# KiCad board VLT.kicad_pcb (continued)
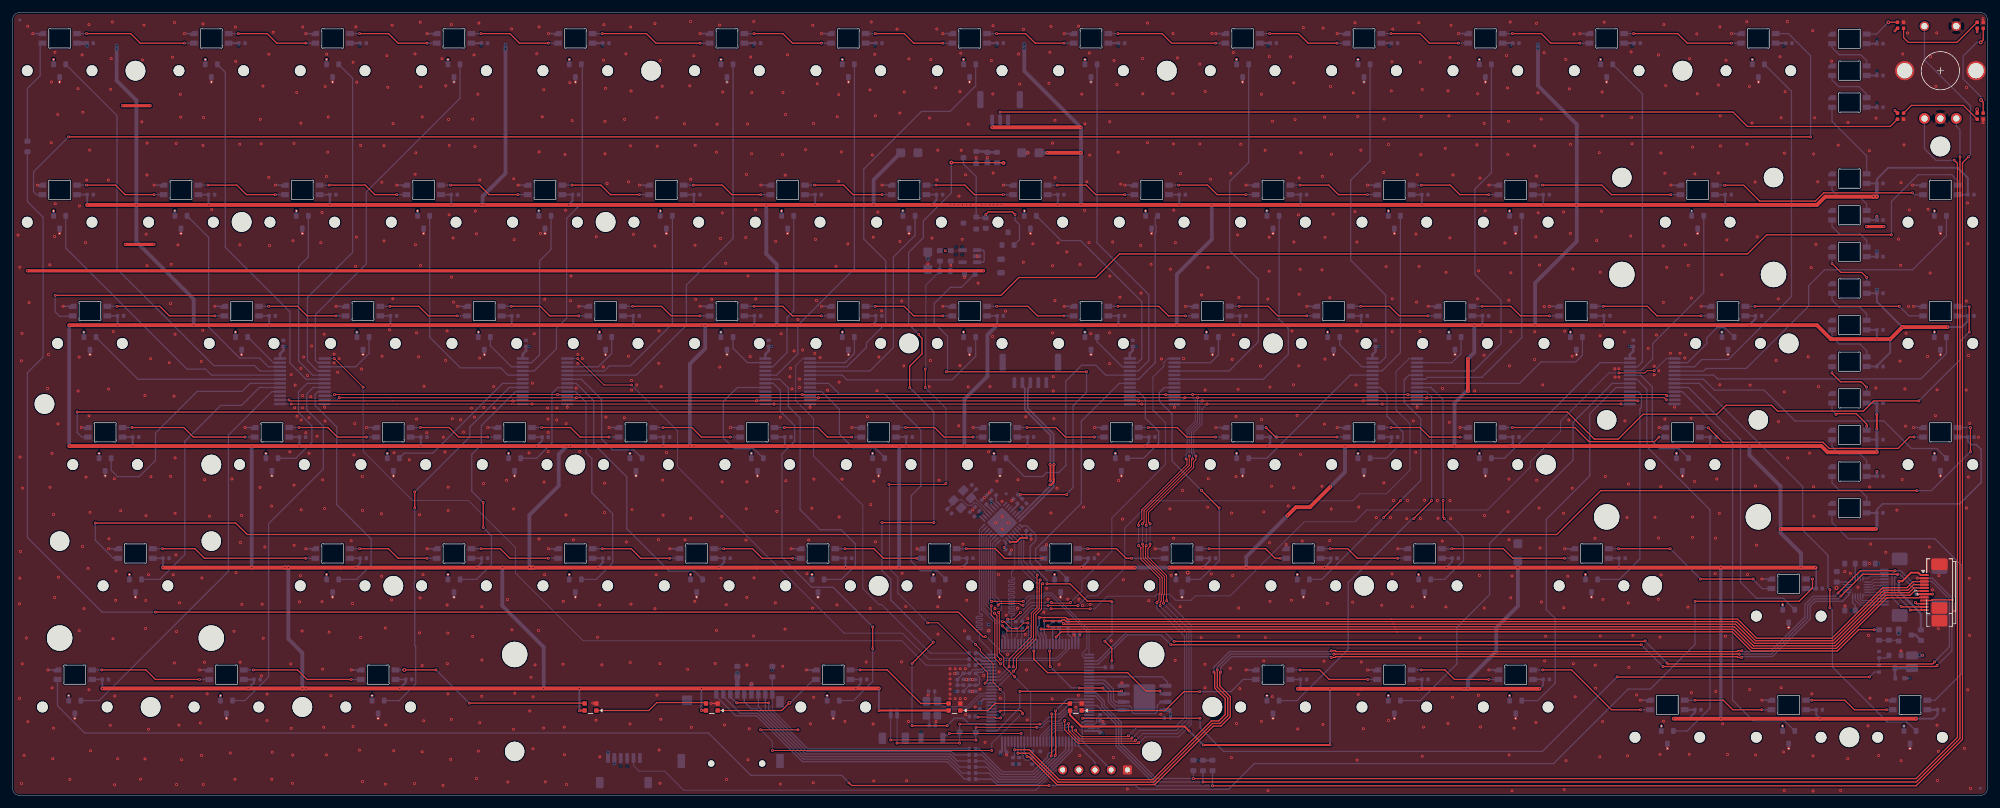
[diagram p0: board, top side]
## Routing (per net, layer and track width the routed paths; a pad name or vN(x,y) marks a point on that pad's centre or on a via; arc(x,y) is an arc through that point) (continued)
  vias: v1(0.84,88.04) v1(1.11,34.13) v1(1.06,30.09) v1(1.06,15.24) v1(1.11,82.99) v1(1.16,53.17) v1(1.21,38.34) v1(1.36,68.29) v1(1.36,1.84) v1(1.46,72.58) v1(1.5,20.66) v1(1.53,48.28) v1(1.78,6.27) v1(2.14,24.72) v1(2.35,120.87) v1(2.38,11.56) v1(2.57,77.45) v1(5.46,63.94) v1(5.6,69.27) v1(5.81,83.39) v1(5.84,48.4) v1(6.08,112.12) v1(6.04,102.57) v1(6.16,53.73) v1(6.18,16.87) v1(6.27,5.75) v1(6.41,44.14) v1(6.39,10.55) v1(6.58,87.82) v1(6.58,31.09) v1(6.62,116.79) v1(6.68,92.99) v1(7.06,107) v1(7.11,58.38) v1(7.16,34.28) v1(8.96,2.49) v1(10.25,111.07) v1(10.27,63.54) v1(10.47,92.64) v1(10.44,68.88) v1(10.44,25.88) v1(10.89,116.37) v1(11,107.35) v1(10.96,39.08) v1(11.18,29.34) v1(11.42,86.86) v1(11.5,50.01) v1(11.61,96.69) v1(11.83,35.66) v1(11.96,121.14) v1(11.97,59.64) v1(11.97,16.59) v1(12.07,101.4) v1(12.14,44.47) v1(12.21,6.98) v1(15.01,96.71) v1(15.05,63.85) v1(15.1,40.32) v1(15.37,110.96) v1(15.32,10.99) v1(15.46,115.79) v1(15.65,121.55) v1(15.79,72.89) v1(15.74,24.61) v1(15.95,49.75) v1(15.99,1.65) v1(16.02,15.61) v1(16.17,30.64) v1(16.22,35.23) v1(16.47,5.73) v1(16.96,44.73) v1(20.05,2.53) v1(20.26,105.85) v1(20.36,115.57) v1(20.59,121.05) v1(20.75,62.85) v1(20.76,5.71) v1(20.89,30.61) v1(20.86,26.22) v1(20.95,88.18) v1(20.92,43.96) v1(21.09,102.51) v1(21.06,97.49) v1(21.09,83.25) v1(21.3,10.36) v1(21.33,34.69) v1(21.64,68.63) v1(21.69,50.08) v1(24.58,67.99) v1(24.78,77.28) v1(24.77,50.14) v1(24.88,83.45) v1(24.97,15.53) v1(25.07,116.01) v1(25.2,34.66) v1(25.4,121.49) v1(25.32,62.74) v1(25.38,20.8) v1(25.49,72.47) v1(25.49,53.02) v1(25.49,44.32) v1(25.66,102.45) v1(25.61,37.79) v1(25.71,25.72) v1(25.71,1.69) v1(25.93,86.5) v1(26.09,11.02) v1(26.18,30.25) v1(26.31,110.17) v1(26.37,106.59) v1(26.5,5.59) v1(29.46,11.37) v1(29.59,68.19) v1(29.7,34.16) v1(29.63,6.27) v1(29.87,121.26) v1(29.87,102.14) v1(29.82,73.08) v1(29.91,1.69) v1(29.97,106.52) v1(30.09,20.9) v1(30.13,49.59) v1(30.52,15.95) v1(30.89,43.87) v1(31.24,92.06) v1(34.16,6.64) v1(34.41,49.71) v1(34.73,25.77) v1(34.88,2.51) v1(34.95,120.75) v1(35.01,115.35) v1(35.04,35) v1(35.64,102.32) v1(35.66,86.52) v1(35.71,20.91) v1(35.77,39.75) v1(35.93,43.99) v1(35.96,30.01) v1(38.88,106.24) v1(38.82,48.38) v1(39.01,102.39) v1(39.05,18.78) v1(39.16,30.04) v1(39.29,111.47) v1(39.33,24.67) v1(39.58,39.02) v1(39.94,15.92) v1(39.91,11.74) v1(40.2,116.49) v1(40.19,97.11) v1(40.33,86.42) v1(40.63,45.46) v1(40.67,2.53) v1(40.76,6.77) v1(40.89,119.94) v1(43.51,53.99) v1(43.65,20.64) v1(43.71,66.12) v1(43.72,10.52) v1(44.01,87.16) v1(43.96,6.33) v1(43.92,1.89) v1(44.15,102.46) v1(44.16,48.75) v1(44.18,39.28) v1(44.25,60.91) v1(44.34,64.47) v1(44.59,110.45) v1(44.64,59.58) v1(45.03,30.4) v1(45.16,34.52) v1(45.24,105.63) v1(45.23,67.08) v1(45.26,58.99) v1(45.3,44.87) v1(45.5,62.83) v1(45.49,60.9) v1(45.43,25.82) v1(45.53,120.76) v1(45.66,68.88) v1(46.01,56.99) v1(46.26,65.99) v1(46.51,53.74) v1(46.53,59.36) v1(46.79,62.66) v1(46.92,70.63) v1(47.77,56.44) v1(48.36,86.86) v1(48.57,91.6) v1(48.55,30.44) v1(48.66,49.58) v1(48.65,19.83) v1(48.89,72.46) v1(48.82,10.69) v1(48.95,45.07) v1(49.05,111.41) v1(49.03,58.84) v1(49.29,116.48) v1(49.24,97.27) v1(49.24,6.36) v1(49.43,101.08) v1(49.53,106.61) v1(49.66,25.64) v1(49.94,15.66) v1(50.46,69.34) v1(50.46,67.99) v1(51.01,66.49) v1(51.24,68.63) v1(53.14,40.01) v1(53.36,30.14) v1(53.44,115.2) v1(53.43,10.81) v1(53.55,53.5) v1(53.69,58.43) v1(53.86,120.78) v1(53.83,83.13) v1(54,112.08) v1(53.96,87.74) v1(54.43,7.1) v1(54.63,102.14) v1(54.62,24.79) v1(54.76,66.99) v1(54.89,50.11) v1(54.91,2.15) v1(54.92,44.77) v1(57.88,44.25) v1(57.93,96.37) v1(57.99,69.01) v1(57.91,34.44) v1(58.29,102.09) v1(58.29,87.14) v1(58.5,26.3) v1(58.51,1.75) v1(58.55,11.07) v1(58.74,116.26) v1(58.88,111.27) v1(59.16,73.15) v1(59.47,30.7) v1(59.58,121.04) v1(59.71,105.57) v1(59.67,78.04) v1(59.81,6.99) v1(59.86,53.84) v1(62.26,52.74) v1(63.06,1.84) v1(63.16,116.52) v1(63.17,97.6) v1(63.27,100.98) v1(63.23,86.54) v1(63.39,72.68) v1(63.4,59.12) v1(63.72,68.93) v1(63.87,44.09) v1(63.86,25.52) v1(63.98,121.5) v1(63.96,31.01) v1(64.06,111.36) v1(64.04,83.28) v1(64.29,106.64) v1(64.28,20.39) v1(64.27,6.83) v1(64.41,34.69) v1(64.56,64.29) v1(64.51,11.7) v1(65.01,56.99) v1(67.38,115.79) v1(67.6,56.27) v1(67.56,1.55) v1(67.86,53.96) v1(67.98,111.52) v1(67.98,68.35) v1(68.19,72.99) v1(68.19,29.91) v1(68.3,25.49) v1(68.24,20.69) v1(68.35,48.43) v1(68.37,44.76) v1(68.32,15.95) v1(68.42,106.21) v1(68.51,91.25) v1(68.53,102.14) v1(68.76,5.64) v1(68.86,121.14) v1(68.89,81.44) v1(68.86,11.93) v1(69.01,59.2) v1(69.14,87.61) v1(69.21,77.51) v1(70.32,59.02) v1(70.76,57.09) v1(72.02,60.84) v1(72.21,106.27) v1(72.21,24.97) v1(72.41,116.38) v1(72.49,59.44) v1(72.56,101.96) v1(72.63,91.82) v1(72.79,88.25) v1(72.8,2.62) v1(73.02,110.18) v1(73.1,6.94) v1(73.19,121.38) v1(73.31,96.71) v1(73.31,68.72) v1(73.31,11.41) v1(73.64,29.64) v1(73.65,21.26) v1(73.62,15.57) v1(73.9,48.99) v1(73.96,60.97) v1(75.51,64.24) v1(75.59,60.91) v1(77.53,49.51) v1(77.66,30.77) v1(77.73,2.09) v1(78.31,120.46) v1(78.37,26.01) v1(78.66,96.89) v1(78.64,45.01) v1(78.61,10.36) v1(78.73,87.34) v1(78.83,16.05) v1(81.06,53.83) v1(81.16,13.24) v1(81.36,18.54) v1(81.58,64.77) v1(81.69,15.46) v1(81.69,7.32) v1(81.87,72.55) v1(82,20.49) v1(82.27,116.56) v1(82.54,25.9) v1(82.65,120.77) v1(82.63,101.11) v1(82.62,40.29) v1(82.85,88.31) v1(83.12,106.64) v1(83.37,110.9) v1(83.33,10.56) v1(83.42,49.22) v1(83.51,34.67) v1(83.52,77.96) v1(83.62,2.11) v1(83.96,60.88) v1(84.05,59.12) v1(84.06,57.02) v1(84.07,54.02) v1(85.39,58.97) v1(85.41,60.91) v1(86.4,20.59) v1(86.43,30.49) v1(86.58,10.72) v1(86.61,6.38) v1(86.7,100.72) v1(86.8,91.94) v1(86.89,58.41) v1(86.86,44.05) v1(86.93,1.7) v1(87.45,112.02) v1(87.57,77.73) v1(87.66,81.62) v1(87.83,106.04) v1(88.03,40.15) v1(88.46,63.98) v1(88.71,69.29) v1(88.71,67.89) v1(89.01,54.04) v1(89.41,68.64) v1(91.57,11.81) v1(91.62,87.8) v1(91.81,24.84) v1(92.13,29.91) v1(92.18,6.05) v1(92.48,20.49) v1(92.81,121.12) v1(92.75,115.55) v1(92.71,67.33) v1(92.97,105.91) v1(92.98,100.82) v1(92.91,49.05) v1(92.91,44.44) v1(93.06,111.12) v1(93.13,59.45) v1(93.31,96.16) v1(96.05,106.25) v1(96.02,59.32) v1(96.26,116.52) v1(96.35,39.81) v1(96.69,96.43) v1(96.66,69.01) v1(96.9,11.23) v1(97,120.75) v1(96.98,102.08) v1(96.95,20.87) v1(97.07,110.7) v1(97.07,30.06) v1(97.16,65.19) v1(97.16,63.69) v1(97.24,44.9) v1(97.45,88.17) v1(97.96,64.49) v1(100.82,121.29) v1(100.82,86.33) v1(100.82,29.32) v1(101.02,34.66) v1(101.14,106.52) v1(101.18,102.03) v1(101.14,15.73) v1(101.36,40.19) v1(101.46,72.99) v1(101.43,67.89) v1(101.49,7.12) v1(101.6,20.71) v1(101.65,115.49) v1(101.61,1.88) v1(101.74,11.95) v1(101.82,64.24) v1(101.96,111.43) v1(102.01,49.53) v1(102.1,44.02) v1(102.64,53.86) v1(105.44,105.54) v1(105.56,40.15) v1(105.95,19.8) v1(106.3,111.52) v1(106.41,121.62) v1(106.44,96.83) v1(106.44,43.55) v1(106.54,10.68) v1(106.92,116.24) v1(107.08,30.49) v1(107.15,102.16) v1(107.12,86.46) v1(107.21,77.96) v1(109.74,77.96) v1(110.28,20.72) v1(110.49,101.1) v1(110.47,25.92) v1(110.59,105.47) v1(110.97,121.05) v1(111,67.3) v1(111.12,87.54) v1(111.2,34.12) v1(111.41,91.53) v1(111.39,49.26) v1(111.33,43.83) v1(111.47,110.53) v1(111.74,11.07) v1(111.94,83.61) v1(112.01,29.96) v1(112.06,2.49) v1(115.07,87.66) v1(115.18,97.58) v1(115.17,45.04) v1(115.13,40.11) v1(115.24,49.26) v1(115.24,31.1) v1(115.25,20.48) v1(115.37,105.52) v1(115.43,81.64) v1(115.43,5.59) v1(115.64,10.45) v1(115.78,68.95) v1(115.86,116.04) v1(115.98,100.84) v1(116.03,110.44) v1(116.31,25.03) v1(116.34,121.62) v1(116.38,34.16) v1(116.63,92.03) v1(116.65,78.01) v1(119.77,87.06) v1(119.73,30.25) v1(119.97,44.61) v1(120.5,59.43) v1(120.51,1.76) v1(120.65,72.55) v1(120.83,100.7) v1(120.89,20.27) v1(120.92,110.47) v1(121.28,97.46) v1(121.25,26.11) v1(121.33,107.02) v1(121.38,49.44) v1(121.65,116.38) v1(122.11,67.11) v1(122.01,65.79) v1(122.34,63.89) v1(122.66,69.84) v1(123.28,74.79) v1(123.51,65.41) v1(123.51,64.11) v1(124.01,69.99) v1(124.48,101.47) v1(124.71,34.83) v1(124.97,40.12) v1(125.23,11.23) v1(125.46,45.11) v1(125.59,121.02) v1(125.56,29.41) v1(125.69,1.98) v1(125.74,105.6) v1(125.79,49.7) v1(125.74,15.4) v1(125.91,69.44) v1(126.03,87.38) v1(126.18,77.78) v1(126.32,111.85) v1(126.76,68.79) v1(127.94,63.66) v1(129.25,83.14) v1(129.41,29.92) v1(129.46,106.66) v1(129.69,110.13) v1(129.67,96.5) v1(129.74,64.94) v1(129.73,43.74) v1(130.11,101.12) v1(130.19,49.68) v1(130.65,11.6) v1(131.11,86.68) v1(134,20.94) v1(134.18,59.5) v1(134.59,110.87) v1(134.71,45.69) v1(134.63,29.36) v1(134.8,121.55) v1(134.97,100.64) v1(135.07,11.2) v1(135.11,87.71) v1(135.18,49.38) v1(135.16,2.26) v1(135.33,116.47) v1(135.43,106.81) v1(135.45,39.84) v1(135.68,63.57) v1(135.84,91.66) v1(135.97,68.88) v1(136.41,76.14) v1(138.84,120.41) v1(139.28,107.23) v1(139.28,87.04) v1(139.56,77.69) v1(139.54,20.97) v1(139.64,34.89) v1(139.91,67.5) v1(139.97,110.52) v1(140.2,29.68) v1(140.34,2.29) v1(140.7,115.75) v1(140.63,11.61) v1(143.66,83.56) v1(143.71,15.74) v1(143.9,64.23) v1(143.94,106.45) v1(144.06,68.34) v1(144.13,115.63) v1(144.34,87.57) v1(144.91,111.22) v1(144.96,11.59) v1(145.07,120.44) v1(145.08,96.72) v1(145.23,101.4) v1(145.22,29.64) v1(145.27,25.32) v1(145.41,49.51) v1(147.16,19.89) v1(147.16,19.09) v1(147.16,18.29) v1(147.16,17.49) v1(147.16,16.69) v1(147.16,15.89) v1(147.16,15.19) v1(147.96,19.89) v1(147.96,15.19) v1(148.56,94.19) v1(148.51,58.08) v1(148.72,110.6) v1(148.72,67.56) v1(148.76,19.89) v1(148.76,15.19) v1(148.83,116.64) v1(148.9,101.38) v1(149.06,87.39) v1(149.18,39.46) v1(149.42,25.83) v1(149.59,97.52) v1(149.56,19.89) v1(149.56,15.19) v1(149.61,12.69) v1(149.78,30.64) v1(149.76,18.19) v1(150.05,105.47) v1(150.02,64.2) v1(150.71,44.89) v1(150.66,18.19) v1(150.66,16.34) v1(151.11,13.89) v1(151.4,84.74) v1(151.56,80.49) v1(151.86,16.69) v1(152.43,18.84) v1(152.56,46.79) v1(152.66,8.31) v1(153.21,54) v1(153.21,25.88) v1(153.31,47.54) v1(153.43,64.24) v1(153.64,115.48) v1(153.9,120.98) v1(153.87,110.23) v1(153.84,72.1) v1(153.93,97.81) v1(154.21,29.36) v1(154.33,42.84) v1(154.51,49.38) v1(154.76,34.7) v1(154.86,19.39) v1(155.06,15.26) v1(155.31,46.19) v1(155.33,43.84) v1(155.33,41.84) v1(155.86,76.09) v1(155.97,28.29) v1(156.19,22.14) v1(156.33,42.84) v1(157.76,29.39) v1(157.84,49.6) v1(157.92,116.5) v1(158.09,111.78) v1(158.68,120.39) v1(158.66,83.79) v1(158.96,25.29) v1(159.05,59.48) v1(159.15,19.7) v1(159.29,11.84) v1(159.36,27.79) v1(160.16,86.69) v1(161.87,28.78) v1(162.36,32.54) v1(162.54,30.81) v1(162.68,111.9) v1(162.83,116.77) v1(163,120.84) v1(163,44.37) v1(163.2,15.17) v1(163.26,102.5) v1(163.25,83.24) v1(163.25,72.68) v1(163.36,65.79) v1(163.37,63.55) v1(163.45,59.2) v1(163.65,106.1) v1(163.65,97.08) v1(163.63,77.76) v1(163.94,48.26) v1(164.11,86.82) v1(164.29,20.54) v1(165.49,85.43) v1(165.65,30.81) v1(166.59,25.16) v1(166.91,13.84) v1(167.29,15.71) v1(167.34,120.89) v1(167.39,30.81) v1(167.57,83.42) v1(167.52,6.24) v1(167.84,110.21) v1(167.94,29.81) v1(168.12,45.29) v1(168.29,91.93) v1(168.33,105.52) v1(168.63,96.43) v1(168.96,86.87) v1(169.03,116.67) v1(169.08,100.62) v1(169.16,29.99) v1(169.26,72.56) v1(170.41,37.89) v1(172.2,72.7) v1(172.22,105.87) v1(172.23,81.6) v1(172.22,67.85) v1(172.46,24.29) v1(172.68,86.96) v1(172.81,5.94) v1(172.9,115.49) v1(173.34,111.71) v1(173.56,101.08) v1(173.62,49.47) v1(173.83,78.3) v1(173.95,96.06) v1(174.24,43.41) v1(174.36,33.89) v1(175,0.99) v1(177.09,86.42) v1(177.14,78.94) v1(177.38,115.81) v1(177.42,110.25) v1(178.16,121.37) v1(178.14,102.57) v1(178.36,30.59) v1(178.72,83.47) v1(180.23,12.73) v1(180.36,68.59) v1(181.67,45.01) v1(181.76,82.68) v1(181.89,34.58) v1(182.17,119.72) v1(182.14,110.28) v1(182.23,102.37) v1(182.28,91.97) v1(182.26,40.4) v1(182.5,21.2) v1(182.53,86.86) v1(182.86,115.9) v1(183.29,29.65) v1(183.33,97.72) v1(183.66,47.89) v1(183.81,68.64) v1(186.36,114.94) v1(186.37,102.38) v1(186.58,24.77) v1(186.63,78.63) v1(187.17,20.57) v1(187.18,16.92) v1(187.22,110.62) v1(187.22,63.69) v1(187.58,45.27) v1(187.66,82.97) v1(187.71,49.75) v1(188.06,96.83) v1(188.18,34.8) v1(188.27,119.75) v1(191.14,19.96) v1(191.24,97.76) v1(191.35,44.35) v1(191.33,5.92) v1(191.46,68.51) v1(191.53,34.54) v1(191.64,116.74) v1(191.65,72.38) v1(192.05,59.54) v1(192.05,50.09) v1(192.13,11.27) v1(192.3,88.08) v1(192.38,63.8) v1(192.51,78.23) v1(192.46,29.43) v1(192.46,24.99) v1(192.64,16.76) v1(192.81,102.31) v1(195.9,67.46) v1(196.04,110.18) v1(196.08,59.06) v1(196.03,11.61) v1(196.39,44.55) v1(196.4,21.12) v1(196.62,101.38) v1(196.67,24.78) v1(197.04,77.99) v1(197.08,0.73) v1(197.28,116.1) v1(197.27,87.72) v1(197.27,82.38) v1(197.37,64.16) v1(197.32,39.69) v1(197.4,30.48) v1(197.62,48.58) v1(197.79,105.95) v1(197.74,15.5) v1(200.26,45.46) v1(200.63,116.06) v1(200.75,30.66) v1(200.83,72.97) v1(201.08,64.52) v1(201.11,48.34) v1(201.13,111.99) v1(201.14,86.96) v1(201.33,106.2) v1(201.64,59.7) v1(201.75,10.42) v1(201.85,91.23) v1(201.96,97.03) v1(201.97,78.75) v1(201.92,67.5) v1(202.13,82.66) v1(202.17,53.58) v1(202.23,100.98) v1(202.45,39.96) v1(202.62,120.67) v1(205.56,82.58) v1(205.54,48.56) v1(205.62,97.28) v1(205.71,11.13) v1(205.73,120.58) v1(205.87,21.07) v1(205.97,106.57) v1(205.94,58.35) v1(206.02,87.69) v1(206.01,68.54) v1(206.4,30.18) v1(206.79,78.21) v1(206.76,40.04) v1(206.9,111.41) v1(207.01,100.74) v1(207,44.99) v1(207.32,91.35) v1(210.36,30.36) v1(210.46,110.4) v1(210.74,121.42) v1(210.73,91.74) v1(210.89,64.49) v1(211.03,86.95) v1(211.07,72.95) v1(211.07,5.53) v1(211.16,106.7) v1(211.25,15.85) v1(211.32,45.3) v1(211.65,101.4) v1(211.73,20.94) v1(212.05,10.46) v1(214.06,43.64) v1(214.93,29.86) v1(215.3,106.29) v1(215.24,97.89) v1(215.25,49.1) v1(215.62,83.1) v1(215.99,102.29) v1(216,11.76) v1(216.31,43.64) v1(216.44,110.72) v1(216.54,115.3) v1(216.59,78.05) v1(216.59,72.86) v1(216.56,34.8) v1(216.67,120.43) v1(216.76,46.34) v1(218.86,43.49) v1(218.96,46.34) v1(219.74,29.66) v1(219.89,58.85) v1(220.3,88.21) v1(220.26,53.91) v1(220.4,77.51) v1(220.53,97.54) v1(220.76,121.43) v1(220.81,83.13) v1(220.99,115.21) v1(220.94,72.89) v1(220.94,24.72) v1(221.06,100.7) v1(221.01,43.49) v1(221.13,106.71) v1(221.3,110.94) v1(221.3,6.12) v1(221.5,10.72) v1(221.66,46.39) v1(223.66,46.34) v1(223.76,43.54) v1(224.47,63.94) v1(224.44,39.95) v1(224.91,101.69) v1(225.03,82.19) v1(225.01,29.61) v1(225.33,110.71) v1(225.33,11.29) v1(225.48,106.79) v1(225.56,58.62) v1(225.64,115.96) v1(225.63,87.6) v1(225.66,46.34) v1(225.76,43.49) v1(225.83,121.01) v1(226.02,15.4) v1(226.12,97.5) v1(229.53,63.56) v1(229.88,102.24) v1(229.99,110.27) v1(229.98,78.05) v1(230.14,82.44) v1(230.11,15.71) v1(230.26,34.55) v1(230.36,97.01) v1(230.44,10.74) v1(230.99,69.16) v1(231.01,105.61) v1(231.08,43.96) v1(231.03,29.43) v1(231.19,91.86) v1(234.26,86.81) v1(234.53,116.26) v1(234.67,111.17) v1(234.71,100.72) v1(234.79,44.55) v1(234.84,105.94) v1(234.88,77.82) v1(234.9,49.68) v1(234.9,40.18) v1(234.99,67.5) v1(234.94,6.35) v1(235.11,121.54) v1(235.2,82.12) v1(235.19,72.87) v1(235.18,31.04) v1(235.39,34.49) v1(235.4,0.7) v1(235.7,10.53) v1(238.93,102.06) v1(238.96,72.86) v1(238.92,68.49) v1(239.12,87.79) v1(239.15,11.45) v1(239.22,121.33) v1(239.24,97.33) v1(239.26,49.52) v1(239.45,110.41) v1(239.5,91.54) v1(239.71,83.35) v1(239.65,45.14) v1(239.79,38.84) v1(239.97,106.28) v1(240.02,30.39) v1(240.21,64.51) v1(240.43,116.72) v1(240.45,76.81) v1(240.51,21.12) v1(240.66,24.99) v1(243.49,91.69) v1(243.48,44.32) v1(243.52,29.49) v1(243.58,0.9) v1(243.66,72.94) v1(243.82,115.66) v1(243.87,5.44) v1(244.15,34.44) v1(244.41,111.03) v1(244.32,58.98) v1(244.58,102.32) v1(244.54,88.31) v1(244.84,69.01) v1(244.84,48.27) v1(244.93,82.71) v1(245.02,20.68) v1(245.13,119.65) v1(245.3,15.47) v1(248.41,40.38) v1(248.46,20.45) v1(248.51,16.81) v1(248.69,87.18) v1(249.09,101) v1(249.15,6.05) v1(249.24,82.22) v1(249.21,72.24) v1(249.25,25.05) v1(249.45,91.79) v1(249.54,110.53) v1(249.55,106.78) v1(249.61,11.57) v1(249.65,30.79) v1(249.86,121.51) v1(250.04,50.11) v1(251.51,67.04) v1(251.56,65.74) v1(252.16,67.04) v1(252.16,65.74) v1(253.04,72.82) v1(253.11,58.84) v1(253.44,43.67) v1(253.52,6.2) v1(253.66,48.92) v1(253.64,30.22) v1(253.72,20.09) v1(254.08,116.84) v1(254.02,87.91) v1(254.18,106.53) v1(254.21,102.41) v1(254.37,25.14) v1(254.95,15.77) v1(256.76,70.24) v1(257.71,67.44) v1(257.71,66.09) v1(257.83,43.68) v1(258.07,72.35) v1(258.39,116.37) v1(258.39,40.43) v1(258.36,30.8) v1(258.42,66.73) v1(258.61,6.43) v1(258.63,24.86) v1(258.76,100.95) v1(258.75,48.51) v1(258.79,34.64) v1(259.13,86.33) v1(259.15,77.47) v1(259.15,11.64) v1(259.23,121.13) v1(259.39,97.77) v1(259.4,59.14) v1(259.51,111.54) v1(259.67,82.98) v1(260.26,69.49) v1(261.76,69.49) v1(262.51,68.74) v1(262.59,86.52) v1(262.64,72.4) v1(263.08,83.29) v1(263.01,29.59) v1(263.26,115.77) v1(263.22,6.44) v1(263.5,59.26) v1(263.54,78.16) v1(263.55,16.13) v1(263.74,101.88) v1(263.73,43.74) v1(263.72,40.54) v1(264.09,97.67) v1(264.03,49.3) v1(264.39,119.67) v1(264.48,110.26) v1(267.29,34.84) v1(267.34,40.41) v1(267.38,16.31) v1(267.53,49.71) v1(267.79,111.65) v1(267.76,97.82) v1(267.93,44.3) v1(268.01,120.77) v1(268.07,106.81) v1(268.02,64.52) v1(268.12,102.07) v1(268.32,81.82) v1(268.46,11.25) v1(268.88,25) v1(268.99,115.52) v1(269.13,87.29) v1(269.21,6.42) v1(272.23,121.59) v1(272.27,102.34) v1(272.36,34.71) v1(272.65,111.42) v1(272.7,16.61) v1(272.77,64.47) v1(273.06,105.66) v1(273.56,96.39) v1(273.6,48.61) v1(273.64,6.35) v1(273.78,39.32) v1(273.88,87.8) v1(276.85,68.33) v1(277.2,78.03) v1(277.21,58.73) v1(277.46,116.08) v1(277.63,106.5) v1(277.65,16.9) v1(278.01,6.82) v1(278.15,100.93) v1(278.13,63.4) v1(278.13,0.76) v1(278.26,110.59) v1(278.61,121.62) v1(278.67,53.01) v1(281.89,68.92) v1(282.11,53.78) v1(282.36,82.94) v1(282.45,15.94) v1(282.6,120.16) v1(282.65,6.19) v1(282.65,0.67) v1(282.75,100.8) v1(282.74,48.49) v1(282.77,43.85) v1(282.89,106.49) v1(283.11,86.58) v1(283.37,96.42) v1(283.51,64.23) v1(285.56,115.39) v1(286.61,102.19) v1(286.98,0.76) v1(287.63,35.16) v1(287.69,29.76) v1(288.09,5.77) v1(288.13,105.75) v1(288.51,34.89) v1(289.69,32.69) v1(291.28,10.9) v1(291.35,25.13) v1(291.49,101.31) v1(291.51,36.44) v1(291.54,48.46) v1(291.59,15.26) v1(291.69,39.49) v1(292.52,106.43) v1(292.52,64.03) v1(292.94,6.23) v1(294.06,38.19) v1(295.81,44.81) v1(296.07,87.4) v1(296.3,68.24) v1(296.4,83.3) v1(296.46,96.29) v1(296.48,5.44) v1(296.65,49.64) v1(296.73,116.51) v1(296.93,102.24) v1(297.07,63.87) v1(297.17,58.03) v1(297.26,72.61) v1(297.49,119.8) v1(297.65,76.85) v1(297.77,92.01) v1(300.69,92.11) v1(300.63,68.97) v1(300.91,39.03) v1(301.11,116.11) v1(301.04,82.08) v1(301.41,32.29) v1(301.86,59.66) v1(301.92,111.44) v1(302.06,119.83) v1(302.11,63.73) v1(302.12,11.01) v1(302.18,2.32) v1(302.31,6.91) v1(302.41,34.54) v1(302.32,26.18) v1(306.41,7.38) v1(306.7,77.68) v1(306.7,63.69) v1(306.76,111.24) v1(306.73,45.15) v1(306.89,93.08) v1(306.95,86.72) v1(306.92,16.58) v1(307.06,69.12) v1(307.04,50.02) v1(307.18,34.11) v1(307.24,58.43) v1(307.22,25.14) v1(307.36,1.09) v1(308.62,56.28) v2(184.46,34.99) v2(286.31,32.59)
/ADC1: length 2.5
  Bottom w0.3: U3.22 151.35,20.61 R16.1
/ADC2: length 2.6
  Bottom w0.3: 151.16,21.39 151.81,21.39 152.09,21.11 U3.23
/ADC3: length 2.8
  Bottom w0.3: 151.15,22.34 151.66,22.34 152.39,21.61 U3.24
/ADC4: length 2.7
  Bottom w0.15: R19.1 156.04,26.1 156.04,25.77 156.04,25.77 156.04,25.35 156.04,25.35 156.04,25.11 156.24,24.91 156.24,23.86 U3.28 156.31,23.79
/ADC5: length 2.7
  Bottom w0.15: R20.1 157.71,26.05 157.71,25.04 157.31,24.64 U3.30
/ADC6: length 2.6
  Bottom w0.15: R21.1 158.41,26.23 158.41,24.76 158.31,24.66 U3.32
/BL_DRAIN: length 1.9
  Bottom w0.4: R9.1 298.74,25.19 Q3.3
/BL_GATE: length 2.9
  Bottom w0.2: 293.03,24.36 295.96,24.36
/BOOT: length 19.4
  Top w0.15: v1(147.04,9.71) v1(158.34,9.71)
  Bottom w0.15: v1(158.34,9.71) 158.31,9.69 U3.94 158.31,6.53 158.66,6.18 158.66,5.87 159.01,5.51 159.59,5.51 160.06,5.99 TP4.1 ; v1(147.04,9.71) 146.76,9.44 146.49,9.44 S1.2 146.01,8.89
/CTP_INT: length 158.9
  Top w0.2: v1(304.57,30.71) 304.56,30.72 301.3,30.72 301.19,30.61 U7.9 ; v1(255.69,23.66) 255.69,23.66 181.84,23.66 v1(181.81,23.69) ; v1(259.09,20.24) 301.96,20.24 v1(302.14,20.41)
  Bottom w0.2: J5.1 301.37,34.11 304.45,31.04 304.45,22.72 v1(302.14,20.41) ; v1(181.81,23.69) 181.79,23.69 180.26,25.21 175,25.21 170.4,20.61 168.99,20.61 ; v1(259.09,20.24) 255.69,23.64 v1(255.69,23.66)
/CTP_RST: length 160.4
  Top w0.2: v1(182.34,24.19) 256.21,24.19 v1(256.29,24.26) ; v1(259.71,20.79) 259.86,20.64 301.39,20.64 v1(301.71,20.96) ; v1(298.73,30.3) 298.92,30.11 U7.10
  Bottom w0.15: 304.05,28.34 300.7,28.34 v1(298.73,30.3)
  Bottom w0.2: v1(301.71,20.96) 302.05,21.3 302.05,21.32 304.05,23.32 304.05,30.87 301.31,33.61 J5.2 ; v1(259.71,20.79) 256.29,24.21 v1(256.29,24.26) ; v1(182.34,24.19) 182.34,24.19 180.91,25.61 174.84,25.61 170.34,21.11 168.99,21.11
/D+: length 25.6
  Top w0.284: v1(163.49,51.99) 163.4,51.9 163.4,49.71 163.44,49.67 163.44,49.2 163.02,48.79 v1(162.84,48.79)
  Bottom w0.284: U5.7 157.94,43.68 162.92,48.65 162.92,48.7 v1(162.84,48.79) ; 163.4,51.95 163.4,56.79 159.38,60.81 159.38,63.94 159.76,64.33 JST1.3
/D-: length 25.9
  Top w0.284: v1(162.87,49.44) 162.84,49.47 162.92,49.55 162.92,51.9 v1(162.84,51.99)
  Bottom w0.284: JST1.2 158.51,64.32 158.9,63.94 158.9,60.61 162.92,56.59 162.92,51.99 ; U5.8 158.29,43.33 163.41,48.45 163.41,49.02 163.07,49.36 162.87,49.36 v1(162.87,49.44)
/ELE0: length 5.1
  Bottom w0.15: J3.1 290.47,35.46 289.68,34.67 U4.8
/ELE1: length 4.4
  Bottom w0.15: J3.2 290.47,34.96 290.08,34.57 U4.9
/ELE2: length 3.5
  Bottom w0.15: U4.10 291.27,34.1 291.64,34.46 J3.3
/ELE3: length 3
  Bottom w0.15: U4.11 291.79,33.51 292.24,33.96 J3.4
/ELE4: length 3
  Bottom w0.15: J3.5 292.24,33.46 291.89,33.11 U4.12
/ELE5: length 2.9
  Bottom w0.15: J3.6 292.24,32.96 291.99,32.71 U4.13
/ELE6: length 2.9
  Bottom w0.15: J3.7 292.26,32.46 292.11,32.31 U4.14
/ELE7: length 2.8
  Bottom w0.15: U4.15 292.94,31.91 292.99,31.96 292.99,31.96 J3.8
/ELE8: length 3.5
  Bottom w0.15: J3.9 290.61,31.46 U4.16
/ELE9: length 4.5
  Bottom w0.15: U4.17 290.08,30.85 290.31,30.61 292.01,30.61 292.36,30.96 J3.10
/ELE10: length 5.1
  Bottom w0.15: U4.18 289.68,30.76 290.17,30.26 292.31,30.26 292.51,30.46 J3.11
/ELE11: length 5.6
  Bottom w0.15: J3.12 293.82,29.91 292.58,29.91 292.58,29.91 290.02,29.91 289.28,30.66 U4.19
/ERM_GATE: length 134.3
  Top w0.2: v1(251.89,18.61) 251.91,18.59 291.51,18.59 v1(291.54,18.61) ; v1(186.41,12.11) 167.97,12.11 v1(167.96,12.1)
  Bottom w0.2: R25.2 292.29,19.37 v1(291.54,18.61) ; v1(186.41,12.11) 186.41,10.61 190.14,6.89 240.16,6.89 v1(251.89,18.61) ; 168.99,12.11 168.97,12.1 v1(167.96,12.1)
/HSE_IN: length 13.2
  Bottom w0.15: U3.12 151.99,15.61 149.94,13.56 144.44,13.56 Y2.1 143.88,12.17 C18.2
/HSE_OUT: length 11.5
  Bottom w0.15: C21.2 144.74,15.21 Y2.3 146.04,13.91 149.79,13.91 151.84,15.96 152.59,15.96 152.74,16.11 U3.13
/I2C1_SCL: length 180.2
  Top w0.2: v1(157.81,6.6) 158.59,6.6 158.59,6.6 159.02,6.6 159.58,6.61 164.12,2.06 179.12,2.06 188.35,11.29 189.53,11.29 190.76,12.52 190.76,15.34 189.11,16.99 v1(189.11,19.74) ; v1(207.41,22.19) v1(271.06,22.19) ; v1(287.01,31.29) 290.46,34.74 v1(295.96,34.74) ; v1(297.92,29.09) 298.06,29.09 298.09,29.11 U7.12
  Bottom w0.2: v1(271.06,22.19) 276.1,22.19 281.79,27.88 281.79,29.84 282.83,30.89 286.61,30.89 v1(287.01,31.29) 287.41,31.69 287.41,32.01 287.71,32.31 288.29,32.31 ; v1(295.96,34.74) 296.26,34.74 298.39,32.61 J5.4 ; v1(295.96,34.74) 295.44,34.21 295.44,31.71 297.92,29.23 v1(297.92,29.09) ; v1(295.96,34.74) 295.96,34.69 ; v1(189.11,19.74) 189.11,20.11 191.19,22.19 v1(207.41,22.19) ; U3.95 v1(157.81,6.6) 157.81,6.12 R24.1
/I2C1_SDA: length 182.4
  Top w0.2: v1(271.47,22.71) 270.85,22.71 270.84,22.71 270.72,22.59 207.76,22.59 207.63,22.71 207.01,22.71 v1(207.01,22.71) ; v1(295.54,35.29) 290.06,35.29 v1(286.56,31.79) ; v1(157.29,7.16) 159.59,7.16 164.29,2.46 178.96,2.46 188.18,11.69 189.36,11.69 190.36,12.68 190.36,15.17 188.71,16.82 188.71,19.24 v1(188.57,19.38) ; U7.11 296.57,29.61 v1(296.49,29.7)
  Bottom w0.2: v1(296.49,29.7) 296.4,29.7 295.04,31.06 295.04,34.79 v1(295.54,35.29) 296.41,35.29 298.59,33.11 J5.3 ; U3.96 157.29,8.41 v1(157.29,7.16) 157.29,6.17 R23.1 ; v1(207.01,22.71) 206.89,22.59 191.02,22.59 188.59,20.15 188.59,19.39 v1(188.57,19.38) ; 288.29,32.71 287.49,32.71 v1(286.56,31.79) 286.06,31.29 282.66,31.29 281.37,30 281.37,28.03 275.93,22.59 271.59,22.59 v1(271.47,22.71)
/LED:N_DRAIN/P_GATE: length 21.9
  Top w0.2: v1(157.36,91.29) 156.96,91.69 153.16,91.69 v1(152.76,91.29)
  Bottom w0.2: v1(157.36,91.29) 157.36,90.39 158.06,89.69 158.06,87.34 Q5.1 ; Q2.3 149.26,99.24 151.26,97.24 Q1.1 ; R4.1 151.39,90.76
/LED:R>GATE: length 3.1
  Bottom w0.4: R7.2 R5.2 ; Q2.1 152.89,101.19
/leds/LED_330R: length 16.4
  Bottom w0.2: R15.2 2.3,111.1 4.31,113.11 4.31,117.89 LED1.3
/MPR_IRQ: length 154.4
  Top w0.2: v1(271.46,21.66) 271.28,21.66 271.28,21.66 270.84,21.66 270.72,21.79 207.76,21.79 207.63,21.66 207,21.66 v1(207,21.66) ; v1(189.65,19.38) 189.51,19.24 189.51,17.15 191.16,15.51 191.16,12.35 189.7,10.89 188.51,10.89 179.29,1.66 163.95,1.66 159.54,6.08 159.31,6.08 v1(159.24,6.08)
  Bottom w0.2: U3.93 158.81,6.59 159.24,6.16 v1(159.24,6.08) ; v1(189.65,19.38) 189.57,19.46 189.64,19.52 189.64,20.07 191.35,21.79 206.88,21.79 v1(207,21.66) ; v1(271.46,21.66) 271.59,21.79 276.27,21.79 282.19,27.71 282.19,29.68 283,30.49 287.26,30.49 288.29,31.51 288.29,31.91
/MTR-: length 4.5
  Bottom w0.4: 295.51,18.44 Q4.3 298.46,19.99
/MUX_COM1: length 129.4
  Top w0.15: v1(50.46,68.65) 50.5,68.65 50.66,68.49 50.67,68.49 50.96,68.19 50.96,68.19 v1(55.01,64.14)
  Bottom w0.15: R16.2 143.41,20.44 139.56,24.29 89.56,24.29 78.91,34.94 78.91,38.94 71.51,46.34 62.74,46.34 55.01,54.06 v1(55.01,64.14) ; v1(50.46,68.65) M1.1
/MUX_COM2: length 86
  Top w0.15: v1(97.16,64.49) 92.84,64.49 88.71,68.61 v1(88.71,68.64)
  Bottom w0.15: v1(88.71,68.64) 87.07,68.64 ; v1(97.16,64.49) 104.36,57.29 104.36,51.64 130.51,25.49 139.66,25.49 143.76,21.39 R17.2
/MUX_COM3: length 63
  Bottom w0.15: M3.1 124.02,68.65 122.91,67.54 122.91,62.04 125.71,59.24 125.71,53.34 133.46,45.59 133.46,32.49 135.94,30.01 136.38,30.01 144.05,22.34 R18.2
/MUX_COM4: length 58.7
  Top w0.15: v1(166.06,30.31) 165.96,30.21 163.15,30.21 v1(163.05,30.31) ; v1(158.22,28.73) 157.17,27.69 v1(156.21,27.69)
  Bottom w0.15: v1(158.22,28.73) 159.8,30.31 v1(163.05,30.31) ; v1(166.06,30.31) 167.86,32.11 167.86,33.64 172.56,38.34 172.56,43.59 180.96,51.99 180.96,58.59 179.01,60.54 179.01,65.74 180.71,67.44 180.71,68.04 181.32,68.64 M4.1 ; R19.2 v1(156.21,27.69)
/MUX_COM5: length 96
  Top w0.15: v1(167.24,29.81) v1(162.54,29.81)
  Bottom w0.15: v1(167.24,29.81) 168.77,31.34 170.25,31.34 174.59,35.68 174.59,42.01 178.86,46.29 210.36,46.29 211.46,47.39 215.66,47.39 219.36,51.09 219.36,58.39 217.16,60.59 217.16,66.59 219.22,68.65 M5.1 ; R20.2 160,29.81 v1(162.54,29.81)
